# Altium PCB US_SB_GHW.PcbDoc (part 2 of 2)
Units mm, origin at the board's own origin, x right, y up, seen from the top; angles counter-clockwise.
Board outline 89 x 93.3 mm, 2 copper layers (Top Layer, Bottom Layer); 129 components, 87 nets, 555 pads, 277 vias.
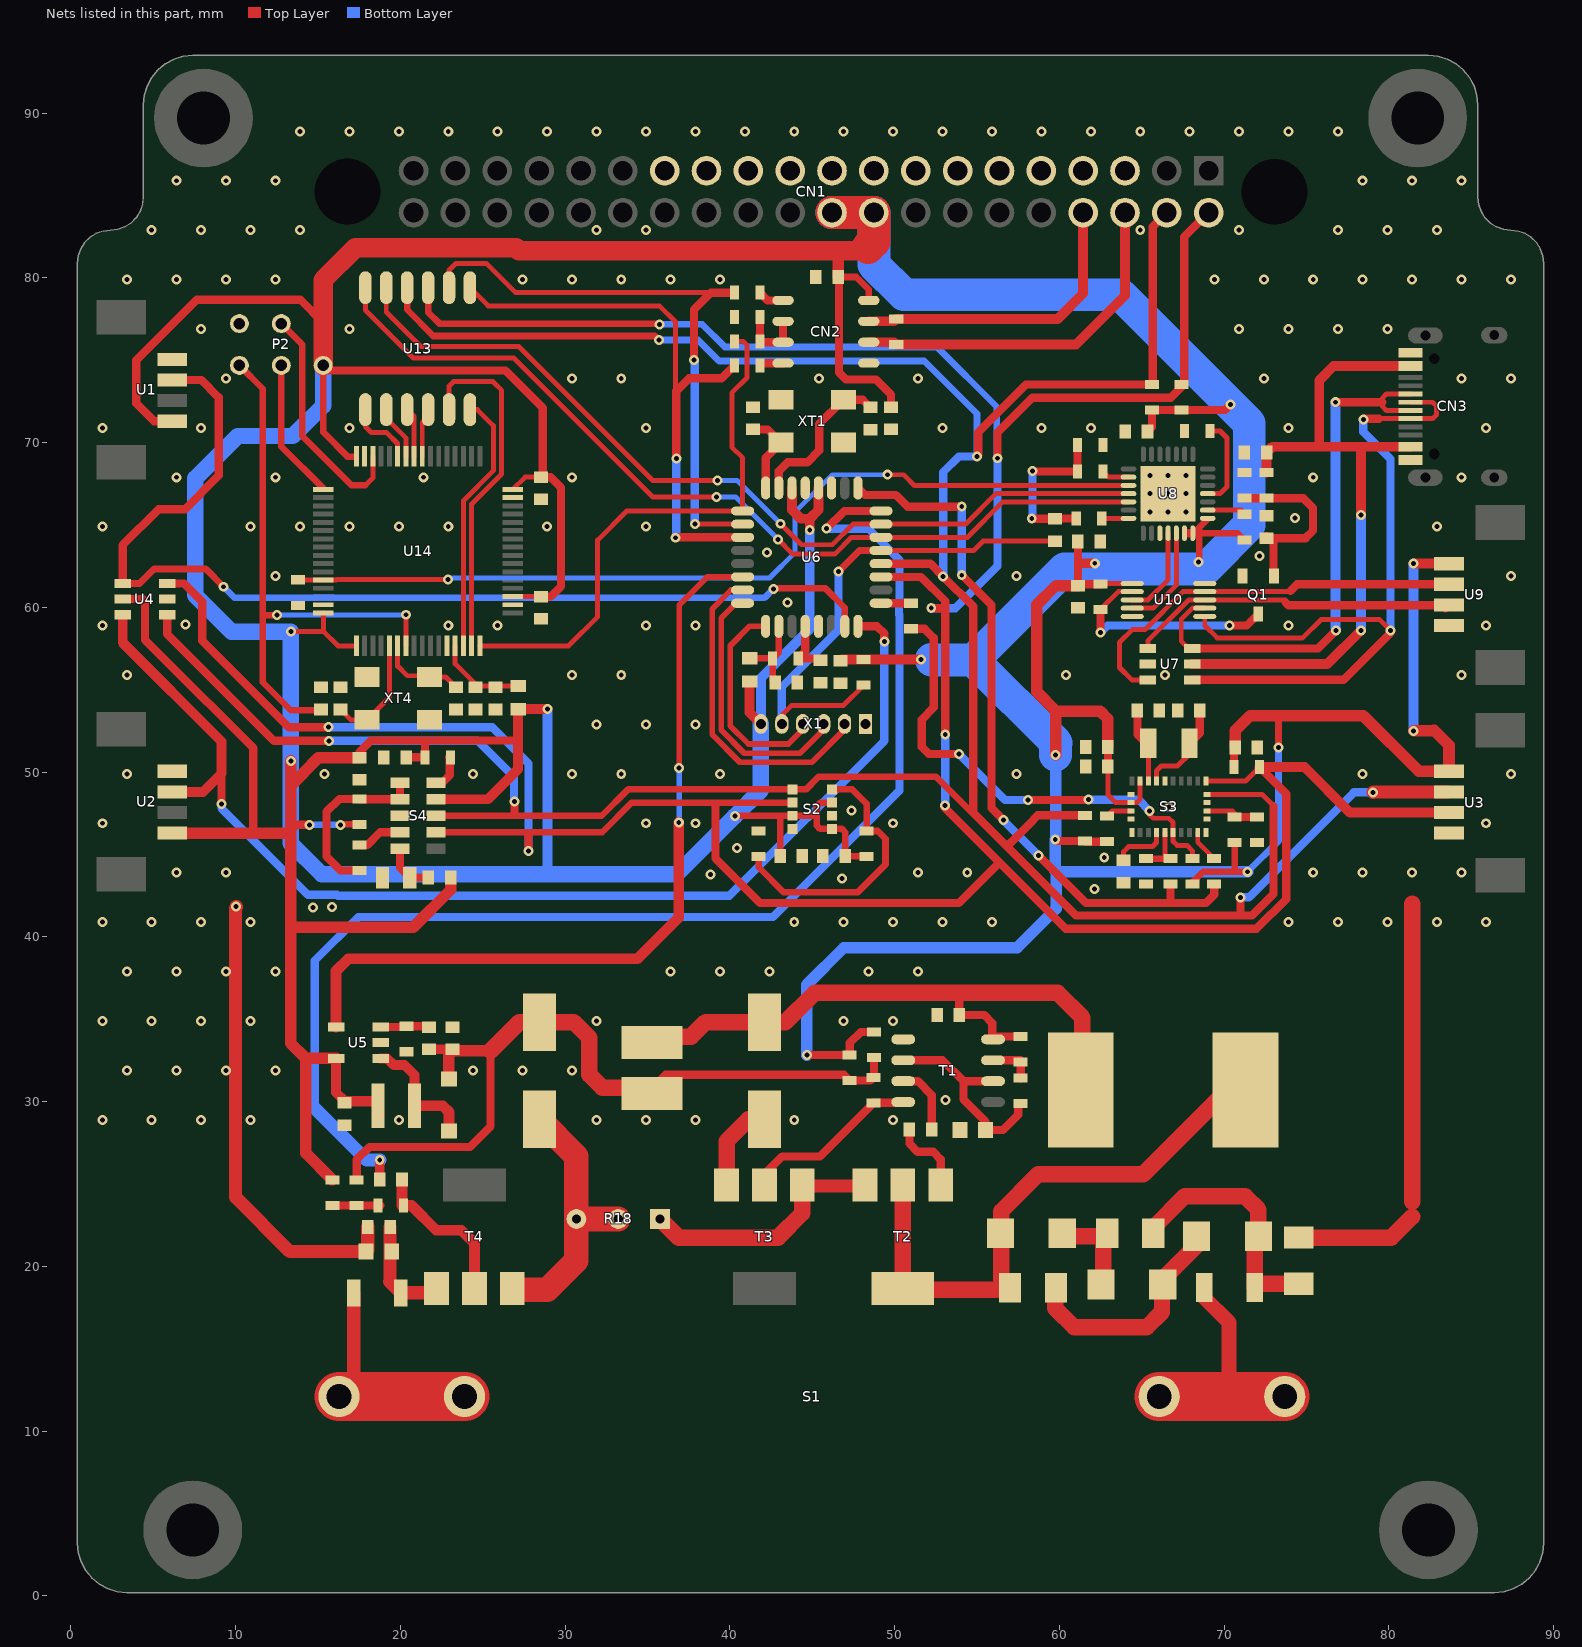
[diagram p2: the nets of this part, all layers, seen from the top]

## Via types
v1: diameter 0.605, hole 0.3, Top Layer to Bottom Layer, tented both sides, 277 vias

## Nets (pads, with @x,y where several pads share a name; then routed paths per layer and width w, separated by ;. In a path a pad name is that pad's centre, name@x,y a point inside that pad or via, vN(x,y) a via of type N, cw(c..) or ccw(c..) an arc to the next point about the centre after c; other vN are vias at no path point)
3V3: C1.2 C11.1 C12.1 C13.1 C18.2 C19.2 C20.1 C21.1 C22.1 C27.1 C29.2 C30.2 C31.2 C32.2 C43.2 C44.2 CN1.18 CN1.20 CN2.8 FB1.2 FB3.1 L1.1 P2.5 R1.1 R2.1 R5.1 R9.2 R11.2 R19.2 R22.2 R25.2 R26.2 R27.2 R28.2 R29.2 R34.1 R37.2 R39.2 R45.2 R48.2 S2.2 S2.6 S2.8 S3.3 S3.28 S4.4 U1.1 U2.1 U3.1 U4.5 U5.5 U6.4 U6.6 U8.6 U8.7 U8.8 U9.1 U10.1 U14.1 U14.19 U14.32 U14.48 U14.64 X1.6 | length 577.7
  Top Layer w0.3: v1(13.35,58.525) 13.37,58.545 15.33,58.545 ; U14.64@15.33,59.659 15.33,58.545 ; U14.48@17.3,69.129 U14.48@17.33,69.159 ; U14.1@17.33,57.659 16.216,57.659 15.33,58.545 ; U14.19@26.83,60.659 28.391,60.659 C44.2@28.475,60.575 ; U14.32@26.83,67.159 27.571,67.9 C43.2@28.525,67.9 ; R45.2@62.575,61.4 62.625,61.45 U10.1@64.4,61.45 ; C22.1@62.95,50.2 62.95,48.619 63.419,48.15 S3.3@64.337,48.15 64.695,48.15 64.9,48.355 S3.28@64.9,49.462 ; U8.8@68.95,65.3 68.95,65.35 U8.8@69,65.4
  Top Layer w0.4: P2.5@15.315,74.685 15.315,70.635 16.821,69.129 U14.48@17.28,69.129 ; v1(16.375,46.8) 16.4,46.8 16.425,46.825 R39.2@17.525,46.825 ; v1(40.3,47.325) 40.325,47.35 42.975,47.35 ; C18.2@43.05,44.9 43.05,47.275 42.975,47.35 ; S2.6@46.2,48.15 45.5,48.15 45.275,47.925 45.275,47.3 ; CN1.20@46.203,83.96 CN1.20@46.575,83.588 ; C29.2@46.575,80.05 47.675,80.05 48.431,79.294 CN2.8@48.431,78.632 ; R22.2@48.3,44.875 48.275,44.9 C19.2@47,44.9 47,46.35 46.8,46.55 S2.8@46.2,46.55 45.475,46.55 45.275,46.75 45.275,47.3 ; 61.125,62.75 61.2,62.675 ; R27.2@68.075,43.3 68.725,43.95 70.65,43.95 ; U8.7@68.1,64.5 U8.7@68.15,64.5 ; v1(68.45,62.75) 68.487,62.787 68.487,64.5 ; U8.8@69,65.35 68.95,65.3 68.487,64.838 ; R28.2@70.625,45.725 70.65,45.7 70.65,43.95 ; R48.2@71.225,64.1 70.825,64.5 68.487,64.5 ; v1(71.425,43.95) 70.65,43.95 ; v1(73.3,51.5) 73.3,53.15 73.575,53.425 ; 42.975,47.35 S2.2@43.8,47.35 45.225,47.35 45.275,47.3 ; U8.7@68.15,64.5 68.487,64.838 ; U8.7@68.15,64.5 68.487,64.5 ; 68.487,64.5 68.487,64.838
  Top Layer w0.5: U4.5@3.15,60.5 4.375,60.5 4.5,60.375 4.5,58.025 5.6,56.925 11.075,51.45 11.075,46.3 ; U1.1@6.15,71.3 5.05,71.3 3.975,72.375 3.975,75 7.65,78.675 13.925,78.675 15.315,77.285 ; 13.337,46.45 13.687,46.8 v1(14.475,46.8) ; P2.5@15.315,74.685 15.625,74.375 26.375,74.375 28.65,72.1 28.65,68.025 C43.2@28.525,67.9 29.125,67.9 29.75,67.275 29.75,61.275 29.134,60.659 C44.2@28.391,60.659 ; C11.1@17.525,50.875 17.525,51.225 18.225,51.925 21.525,51.925 ; C27.1@20.35,50.9 R37.2@21.5,50.9 21.5,51.9 21.525,51.925 ; 27,51.925 21.525,51.925 ; v1(44.675,32.825) R5.1@47.275,32.825 47.275,33.55 47.95,34.225 R11.2@48.75,34.225 ; C29.2@46.575,80.05 46.625,80 46.625,74.25 47.05,73.825 48.875,73.825 49.775,72.925 C13.1@49.775,72.15 ; v1(59.75,45.9) 59.825,45.825 R26.2@61.55,45.825 61.6,45.775 R29.2@62.9,45.775 ; C30.2@61.125,64 61.125,62.75 C32.2@61.125,61.325 61.2,61.4 R45.2@62.575,61.4 ; C22.1@62.95,50.2 C22.1@62.95,50.334 C21.1@62.95,51.525 ; C31.2@65.35,70.675 65.625,70.95 R1.1@65.625,71.975 R2.1@67.425,71.975 70.05,71.975 v1(70.375,72.3) ; U8.6@67.7,64.5 U8.7@68.1,64.5 ; R27.2@68.075,43.3 R27.2@68.164,43.3 ; R25.2@70.6,50.3 70.6,51.432 C20.1@70.675,51.507
  Top Layer w0.6: U5.5@16.1,32.625 16.1,30.55 C1.2@16.625,30.025 ; S4.4@22.175,48.35 25.325,48.35 27.15,50.175 27.15,52.075 ; 27,51.925 27.15,52.075 ; v1(28.925,53.825) 28.92,53.82 FB3.1@27.15,53.82 27.15,52.075 ; FB1.2@41.2,55.495 41.2,53.61 X1.6@41.885,52.925 ; U6.6@43.775,67.25 43.775,65.9 44.3,65.375 44.85,65.375 ; v1(44.85,64.7) 44.85,65.375 ; U6.4@45.375,67.25 45.375,65.9 44.85,65.375 ; C12.1@46.725,56.75 46.8,56.825 R19.2@48.125,56.825 v1(51.6,56.825) ; 61.2,62.675 v1(62.15,62.675) ; v1(81.5,62.65) U9.1@83.65,62.65
  Top Layer w0.65: C1.2@16.625,30.025 18.375,30.025 L1.1@18.65,29.75
  Top Layer w0.7: U2.1@6.15,46.3 11.075,46.3 13.187,46.3 13.337,46.45 ; 13.35,48.763 13.337,48.75 ; R9.2@15.875,25.25 14.25,26.875 14.25,32.625 ; U5.5@16.1,32.625 14.25,32.625 ; C11.1@17.525,50.875 15.025,50.875 13.35,49.15 ; R34.1@23.05,43.6 23.05,42.85 20.775,40.575 13.337,40.575 ; C29.2@46.575,80.05 46.575,81.65 ; v1(59.775,51.05) 59.775,53.675 59.8,53.7 ; C32.2@61.125,61.325 59.8,61.325 58.625,60.15 58.625,54.875 59.8,53.7 ; C21.1@62.95,51.525 62.95,53.225 62.475,53.7 59.8,53.7 ; C20.1@70.675,51.507 70.675,52.525 71.575,53.425 73.575,53.425 78.45,53.425 81.825,50.05 U3.1@83.65,50.05 83.65,51.625 82.75,52.525 82.725,52.5 v1(81.5,52.5) ; 13.337,40.575 13.337,46.45 ; 13.337,40.575 13.337,33.537 14.25,32.625 ; 13.337,46.45 13.337,48.75 ; 13.337,48.75 13.337,49.187 ; 13.337,49.187 13.337,50.662 v1(13.35,50.675) 13.35,49.15 ; 13.337,49.187 13.35,49.15
  Top Layer w1.2: P2.5@15.315,74.685 15.315,77.285 15.315,79.86 17.28,81.825 27.025,81.825 27.2,81.65 46.575,81.65 48.175,81.65 48.375,81.85
  Top Layer w2: CN1.20@46.203,83.96 CN1.18@48.743,83.96 48.743,82.218 48.375,81.85
  Bottom Layer w0.4: v1(14.475,46.8) v1(16.375,46.8) ; v1(71.425,43.95) 73.3,45.825 v1(73.3,51.5)
  Bottom Layer w0.6: 28.85,43.8 28.925,43.875 v1(28.925,53.825) ; X1.6@41.885,52.925 41.885,55.71 44.85,58.675 v1(44.85,64.7) ; v1(51.6,56.825) 52.225,56.825 54.75,56.825 54.775,56.8 55.175,56.8 57.325,58.95 57.325,59.35 ; v1(62.15,62.675) 68.375,62.675 v1(68.45,62.75) ; v1(81.5,52.5) v1(81.5,62.65)
  Bottom Layer w0.7: v1(44.675,32.825) 44.675,37.1 46.925,39.35 57.45,39.35 59.8,41.7 59.8,43.925 ; v1(59.775,51.05) 59.775,45.925 v1(59.75,45.9) 59.75,43.975 59.8,43.925 ; v1(71.425,43.95) 59.825,43.95 59.8,43.925
  Bottom Layer w1: P2.5@15.315,74.685 15.315,72.24 13.475,70.4 10.125,70.4 7.55,67.825 7.55,60.725 9.753,58.522 13.347,58.522 v1(13.35,58.525) v1(13.35,50.675) 13.35,45.675 15.225,43.8 28.85,43.8 36.775,43.8 v1(40.3,47.325) 41.885,48.91 X1.6@41.885,52.925
  Bottom Layer w2: CN1.20@46.203,83.96 CN1.18@48.743,83.96 48.743,80.807 50.575,78.975 63.725,78.975 70.375,72.325 v1(70.375,72.3) 70.4,72.3 71.525,71.175 71.525,65 68.85,62.325 60.3,62.325 57.325,59.35 54.775,56.8 ; 52.225,56.825 52.25,56.8 54.775,56.8 ; v1(59.775,51.05) 59.775,51.75 59.8,51.775 54.775,56.8
5V: C2.2 C4.1 D1.2 L2.1 R3.2 R5.2 R10.2 R11.1 R14.2 | length 48.8
  Top Layer w0.5: R10.2@17.35,25.5 17.35,26.475 18.128,27.253 24.228,27.253 25.475,28.5 25.475,33.075 ; L2.1@35.325,30.85 36.1,31.625 46.925,31.625 R5.2@47.275,31.275 48.525,31.275 R14.2@48.725,31.475 48.75,31.5 R11.1@48.75,32.675
  Top Layer w0.6: R3.2@21.75,33.175 23.075,33.175 C2.2@23.175,33.075
  Top Layer w0.7: D1.2@22.95,31.375 22.95,32.85 23.175,33.075 25.475,33.075
  Top Layer w1: 25.475,33.075 27.225,34.825 C4.1@28.45,34.825 30.525,34.825 31.475,33.875 31.475,31.625 32.25,30.85 L2.1@35.325,30.85
\R\E\S\E\T\1: C45.1 P2.1 U14.7 | length 35.5
  Top Layer w0.3: 13.825,53.75 13.875,53.8 ; 14.5,53.8 C45.1@15.175,53.8 ; U14.7@20.33,57.659 20.33,59.495 20.275,59.55 v1(20.35,59.55)
  Top Layer w0.4: P2.1@10.235,74.685 11.65,73.27 11.65,59.525 ; v1(12.525,59.525) 11.65,59.525 ; C45.1@15.175,53.8 15.125,53.75 13.825,53.75 13.35,53.75 11.65,55.45 11.65,59.525
  Bottom Layer w0.3: v1(12.525,59.525) 20.325,59.525 v1(20.35,59.55)
ADC0: U2.3 U4.6 U6.24 | length 72.3
  Top Layer w0.5: v1(9.15,48.075) 9.15,49.925 ; U6.24@47.775,58.85 48.925,58.85 49.375,58.4 v1(49.375,57.938)
  Top Layer w0.6: U4.6@3.15,59.55 3.15,57.85 9.15,51.85 9.15,49.925 8.025,48.8 U2.3@6.15,48.8
  Bottom Layer w0.5: v1(9.15,48.075) 9.15,47.799 14.396,42.553 16.162,42.553 16.214,42.5 39.975,42.5 49.375,51.9 v1(49.375,57.938)
ADC1: U1.3 U4.4 U6.23 | length 64.6
  Top Layer w0.4: U4.4@3.15,61.45 4.175,61.45 5.05,62.325 8.2,62.325 v1(9.275,61.25) ; v1@42.7,61.175 42.7,61.15 45.8,61.15 46.975,59.975 U6.23@46.975,58.85
  Top Layer w0.5: U4.4@3.15,61.45 3.15,63.775 5.325,65.95 6.925,65.95 8.975,68 8.975,72.75 7.925,73.8 U1.3@6.15,73.8
  Bottom Layer w0.4: v1(9.275,61.25) 9.95,60.575 42.1,60.575 v1(42.65,61.125)
DTR: C35.1 R19.1 U6.29 X1.5 | length 30.8
  Top Layer w0.3: X1.5@43.155,52.925 43.155,53.455 43.75,54.05 46.9,54.05 R19.1@48.125,55.275 ; U6.29@49.175,63.45 54.8,63.45 55.375,64.025 C35.1@59.75,64.025
  Top Layer w0.4: v1(46.6,62.175) 47.875,63.45 U6.29@49.175,63.45
  Bottom Layer w0.5: X1.5@43.155,52.925 43.155,55.18 46.6,58.625 v1(46.6,62.175)
GND: C1.1 C2.1 C4.2 C5.2 C6.2 C8.1 C9.1 C10.1 C11.2 C12.2 C13.2 C14.2 C15.2 C16.1 C17.1 C18.1 C19.1 C20.2 C21.2 C22.2 C23.1 C24.1 C25.1 C26.1 C27.2 C29.1 C30.1 C31.1 C32.1 C33.1 C34.1 C41.1 C42.1 C43.1 C44.1 C45.2 C46.1 C47.1 CN1.5 CN1.7 CN1.9 CN1.11 CN1.13 CN1.15 CN1.17 CN1.19 CN1.21 CN1.23 CN1.25 CN1.27 CN2.5 CN3.A1 CN3.A12 P2.2 Q1.2 R4.1 R17.1 R18.2 R24.1 R32.1 R33.1 R44.1 R46.2 R47.2 R54.1 R56.1 S2.1 S2.7 S3.2 S3.5 S3.6 S3.15 S3.16 S3.18 S3.25 S4.8 T1.1 T3.3 T4.3 U1.4 U2.4 U3.4 U4.2 U5.2 U6.3 U6.5 U6.21 U7.2 U8.3 U8.29 U9.4 U10.5 U10.10 U14.12 U14.18 U14.31 U14.47 U14.63 X1.1 XT1.2 XT1.4 XT4.2 XT4.4 | length 76.4
  Top Layer w0.6: C10.1@17.925,20.9 C10.1@18.025,21
  Top Layer w0.8: v1(10.025,41.85) 10.05,41.825 10.05,41.775 10,41.725 10,24.2 13.3,20.9 C10.1@17.925,20.9 ; C10.1@18.025,21 R17.1@18.025,22.4
  Top Layer w1: T3.3@39.7,24.975 39.8,24.875 T3.3@39.8,24.95 39.8,27.6 41.125,28.925 C5.2@42.1,28.925 ; C8.1@74.525,21.75 80.15,21.75 81.409,23.009 ; 81.409,23.909 81.409,42.009
  Top Layer w1.5: T4.3@26.8,18.575 28.925,18.575 30.685,20.335 R18.2@30.685,22.875 ; C4.2@28.45,28.925 30.685,26.69 R18.2@30.685,22.875 ; R18.2@33.225,22.875 R18.2@30.685,22.875
  other v1: 1.909,28.895 4.909,28.895 7.909,28.895 10.909,28.895 19.909,28.895 31.909,28.895 34.909,28.895 37.909,28.895 43.909,28.895 49.909,28.895 53.1,30.1 3.409,31.895 6.409,31.895 9.409,31.895 12.409,31.895 24.409,31.895 27.409,31.895 30.409,31.895 1.909,34.895 4.909,34.895 7.909,34.895 10.909,34.895 31.909,34.895 46.909,34.895 49.909,34.895 3.409,37.895 6.409,37.895 9.409,37.895 12.409,37.895 36.409,37.895 39.409,37.895 42.409,37.895 48.409,37.895 51.409,37.895 1.909,40.895 4.909,40.895 7.909,40.895 10.909,40.895 43.909,40.895 46.909,40.895 49.909,40.895 52.909,40.895 55.909,40.895 73.909,40.895 76.909,40.895 79.909,40.895 82.909,40.895 85.909,40.895 14.7,41.775 15.85,41.8 62.125,42.9 46.8,43.55 38.825,43.775 6.409,43.895 9.409,43.895 51.409,43.895 54.409,43.895 75.409,43.895 78.409,43.895 81.409,43.895 84.409,43.895 62.725,44.825 40.425,45.4 1.909,46.895 34.909,46.895 37.909,46.895 49.909,46.895 85.909,46.895 47.375,47.675 66.65,47.875 3.409,49.895 15.409,49.895 24.409,49.895 30.409,49.895 33.409,49.895 39.409,49.895 57.409,49.895 78.409,49.895 87.409,49.895 31.909,52.895 34.909,52.895 37.909,52.895 3.409,55.895 30.409,55.895 33.409,55.895 60.409,55.895 66.409,55.895 84.409,55.895 1.909,58.895 22.909,58.895 25.909,58.895 34.909,58.895 37.909,58.895 73.909,58.895 85.909,58.895 6.95,58.95 43.5,60.3 12.409,61.895 57.409,61.895 87.409,61.895 72.15,63.125 42.25,63.325 1.909,64.895 10.909,64.895 13.909,64.895 16.909,64.895 19.909,64.895 22.909,64.895 28.909,64.895 34.909,64.895 82.909,64.895 74.3,65.425 65.5,65.8 66.6,65.8 67.7,65.8 65.5,66.9 66.6,66.9 67.7,66.9 6.409,67.895 12.409,67.895 21.409,67.895 30.409,67.895 75.409,67.895 84.409,67.895 65.5,68 66.6,68 67.7,68 1.909,70.895 7.909,70.895 16.909,70.895 34.909,70.895 52.909,70.895 58.909,70.895 61.909,70.895 73.909,70.895 85.909,70.895 9.409,73.895 30.409,73.895 33.409,73.895 45.409,73.895 51.409,73.895 72.409,73.895 84.409,73.895 87.409,73.895 7.909,76.895 16.909,76.895 70.909,76.895 73.909,76.895 76.909,76.895 79.909,76.895 3.409,79.895 6.409,79.895 9.409,79.895 12.409,79.895 27.409,79.895 30.409,79.895 33.409,79.895 36.409,79.895 39.409,79.895 69.409,79.895 72.409,79.895 75.409,79.895 78.409,79.895 81.409,79.895 84.409,79.895 87.409,79.895 4.909,82.895 7.909,82.895 10.909,82.895 13.909,82.895 31.909,82.895 34.909,82.895 64.909,82.895 70.909,82.895 76.909,82.895 79.909,82.895 82.909,82.895 6.409,85.895 9.409,85.895 12.409,85.895 78.409,85.895 81.409,85.895 84.409,85.895 13.909,88.895 16.909,88.895 19.909,88.895 22.909,88.895 25.909,88.895 28.909,88.895 31.909,88.895 34.909,88.895 37.909,88.895 40.909,88.895 43.909,88.895 46.909,88.895 49.909,88.895 52.909,88.895 55.909,88.895 58.909,88.895 61.909,88.895 64.909,88.895 67.909,88.895 70.909,88.895 73.909,88.895 76.909,88.895
MISO: U6.16 X1.3 | length 15.9
  Top Layer w0.35: U6.16@40.775,60.25 40.375,60.25 39.475,59.35 39.475,52.55 40.875,51.15 44.26,51.15 X1.3@45.71,52.6
MOSI: U6.15 X1.2 | length 19.5
  Top Layer w0.35: U6.15@40.775,61.05 40.075,61.05 38.925,59.9 38.925,52.275 40.6,50.6 44.98,50.6 X1.2@46.98,52.6
NetC3_1: C3.1 D2.2 D3.1 | length 5.6
  Top Layer w1: D2.2@60.23,21.825 62.65,21.825 62.65,18.88 D3.1@62.47,18.7
NetC3_2: C3.2 C8.2 D4.2 R8.1 | length 15.6
  Top Layer w1: C3.2@65.725,21.825 65.725,22.375 67.6,24.25 71.275,24.25 72.08,23.445 D4.2@72.08,21.825 71.85,21.595 R8.1@71.85,18.725 72.075,18.95 C8.2@74.525,18.95
NetC5_1: C5.1 C6.1 L2.2 L3.2 R7.2 T1.8 | length 38.8
  Top Layer w0.5: 53.925,36.6 C6.1@53.925,35.25 55.45,35.25 55.925,34.775 T1.8@55.925,33.78 ; T1.8@55.975,33.78 56.145,33.95 R7.2@57.65,33.95 ; L3.2@60.675,30.675 L3.2@60.675,31.725
  Top Layer w1: L2.2@35.325,33.95 37.65,33.95 38.525,34.825 C5.1@42.1,34.825 43.375,34.825 45.15,36.6 53.925,36.6 59.9,36.6 61.4,35.1 61.4,32.45 L3.2@60.675,31.725
NetC7_1: C7.1 D2.1 L3.1 T2.2 | length 34.4
  Top Layer w1: T2.2@50.5,24.875 T2.2@50.5,18.65 50.5,18.575 C7.1@56.47,18.575 ; C7.1@57,18.7 56.47,19.23 56.47,23.345 58.725,25.6 65.1,25.6 70.175,30.675 L3.1@70.675,30.675
NetC7_2: C7.2 D3.2 D4.1 | length 13.9
  Top Layer w1: C7.2@59.75,18.575 59.75,17.45 60.9,16.3 65.3,16.3 66.23,17.23 66.23,19.18 68.32,21.27 D4.1@68.32,21.825
NetC9_2: C9.2 R12.1 T1.2 T1.6 | length 12.6
  Top Layer w0.5: T1.2@50.475,32.51 52.915,32.51 54.185,31.24 ; T1.6@55.975,31.24 54.185,31.24 ; R12.1@57.65,29.875 57.5,29.725 57.5,29.2 56.575,28.275 C9.2@55.525,28.275 55.525,28.8 54.185,30.14 54.185,31.24
NetC10_2: C10.2 R16.1 R17.2 T4.1 | length 6.5
  Top Layer w0.8: R17.2@19.375,22.4 19.375,19.1 19.35,19.075 20.025,18.4 22.025,18.4 T4.1@22.2,18.575
NetC14_1: C14.1 FB1.1 R20.1 U6.18 | length 5
  Top Layer w0.4: FB1.1@41.2,56.905 42.595,56.905 R20.1@42.6,56.9 ; C14.1@42.75,55.425 42.6,55.575 R20.1@42.6,56.9 ; U6.18@42.975,58.85 42.975,57.275 R20.1@42.6,56.9
NetC15_1: C15.1 R20.2 U6.20 | length 3.5
  Top Layer w0.5: U6.20@44.575,58.85 44.575,57.325 R20.2@44.15,56.9 45.375,56.9 C15.1@45.5,56.775
NetC16_2: C16.2 U6.7 XT1.3 | length 9.5
  Top Layer w0.5: U6.7@42.975,67.25 42.975,68.275 43.5,68.8 44.7,68.8 45.425,69.525 45.425,71.125 XT1.3@46.9,72.6 48.061,72.6 C16.2@48.525,72.136
NetC17_2: C17.2 U6.8 XT1.1 | length 5.2
  Top Layer w0.5: C17.2@41.4,70.8 42.3,70.8 XT1.1@43.1,70 42.175,69.075 U6.8@42.175,67.25
NetC23_2: C23.2 S3.27 XT2.2 | length 4.6
  Top Layer w0.3: C23.2@64.725,53.725 C23.2@64.75,53.725 ; S3.27@65.4,49.462 XT2.2@65.4,51.75
  Top Layer w0.5: C23.2@64.75,53.725 64.75,52.275 65.275,51.75 XT2.2@65.4,51.75
NetC24_2: C24.2 S3.26 XT2.1 | length 5.9
  Top Layer w0.3: S3.26@65.9,49.462 65.9,50.075 66.2,50.375 67.175,50.375 67.9,51.1 XT2.1@67.9,51.75
  Top Layer w0.5: XT2.1@67.9,51.75 68.525,52.375 C24.2@68.525,53.725
NetC25_2: C25.2 S3.9 | length 3.4
  Top Layer w0.3: C25.2@63.9,44.636 63.9,45.175 64.2,45.475 65.65,45.475 65.9,45.725 S3.9@65.9,46.338
NetC26_2: C26.2 R34.2 S4.10 | length 3.1
  Top Layer w0.5: S4.10@19.975,45.35 19.975,44.2 C26.2@20.575,43.6 R34.2@21.7,43.6
NetC34_2: C34.2 Q1.1 R46.1 R55.2 | length 11
  Top Layer w0.5: R46.1@71.225,66.625 R55.2@72.575,66.625 74.8,66.625 75.4,66.025 75.4,64.65 74.95,64.2 C34.2@72.7,64.2 ; C34.2@72.475,64.225 C34.2@72.575,64.325 ; C34.2@72.575,64.2 C34.2@72.7,64.2 ; Q1.1@73,62.25 73,63.9 C34.2@72.7,64.2
NetC35_2: C35.2 R51.1 R53.1 R54.2 | length 9.9
  Top Layer w0.5: v1(58.325,65.4) 58.35,65.375 C35.2@59.75,65.375 59.775,65.4 R51.1@61.025,65.4 ; v1(58.375,68.275) 58.4,68.25 R53.1@61.091,68.25 61.1,68.259 R54.2@61.1,69.85
  Bottom Layer w0.5: v1(58.325,65.4) 58.375,65.45 v1(58.375,68.275)
NetC41_2: C41.2 C42.2 FB3.2 U14.13 | length 5.6
  Top Layer w0.3: U14.13@23.33,57.659 23.33,56.57 24.575,55.325 C41.2@24.575,55.15 24.655,55.23 FB3.2@27.15,55.23
NetC46_2: C46.2 U14.6 XT4.3 | length 5.3
  Top Layer w0.3: 19.83,56.42 19.83,56.445 ; U14.6@19.83,57.659 19.83,56.445 ; C46.2@23.375,55.15 22.75,55.775 XT4.3@21.775,55.775 21.7,55.85 20.425,55.85 19.83,56.445
NetC47_2: C47.2 U14.5 XT4.1 | length 6.9
  Top Layer w0.3: C47.2@16.375,53.8 17,53.175 XT4.1@17.975,53.175 19.33,54.53 U14.5@19.33,57.659
NetCN1_6: CN1.6 CN2.6 R41.2 | length 21.9
  Top Layer w0.6: CN2.6@48.431,76.092 49.958,76.092 R41.2@50.1,75.95 61,75.95 63.983,78.933 CN1.6@63.983,83.96
NetCN1_8: CN1.8 CN2.7 R41.1 | length 18.6
  Top Layer w0.6: CN2.7@48.431,77.362 49.962,77.362 R41.1@50.1,77.5 59.9,77.5 61.443,79.043 CN1.8@61.443,83.96
NetCN2_1: CN2.1 R49.2 | length 1.6
  Top Layer w0.5: R49.2@41.825,79.1 42.293,78.632 CN2.1@43.231,78.632
NetCN2_2: CN2.2 CN2.3 R42.2 R44.2 | length 4.2
  Top Layer w0.5: R44.2@41.825,77.625 R42.2@41.825,76.15 41.883,76.092 CN2.3@43.231,76.092 CN2.2@43.231,77.362
NetCN2_4: CN2.4 R40.2 | length 1.5
  Top Layer w0.5: R40.2@41.825,74.675 41.972,74.822 CN2.4@43.231,74.822
NetD1_1: D1.1 L1.2 U5.1 | length 7.7
  Top Layer w0.6: U5.1@18.8,32.625 19.2,32.625 19.6,32.225 20.25,32.225 20.85,31.625 L1.2@20.85,29.75
  Top Layer w0.65: L1.2@20.85,29.75 22.575,29.75 22.95,29.375 D1.1@22.95,28.225
NetQ1_3: Q1.3 R45.1 U10.2 | length 13.8
  Top Layer w0.3: R45.1@62.5,59.875 63.575,60.95 U10.2@64.4,60.95
  Top Layer w0.5: v1(62.5,58.475) R45.1@62.5,59.875 ; v1(70.325,58.9) 71.375,58.9 Q1.3@72.075,59.6
  Bottom Layer w0.5: v1(62.5,58.475) 62.925,58.9 v1(70.325,58.9)
NetR3_1: R3.1 R4.2 U5.3 | length 3
  Top Layer w0.5: U5.3@18.8,34.525 20.325,34.525 R4.2@20.375,34.575 21.7,34.575 R3.1@21.75,34.525
NetR6_1: R6.1 T1.3 | length 4.4
  Top Layer w0.5: T1.3@50.309,31.24 T1.3@50.525,31.24 51.41,31.24 52.25,30.4 R6.1@52.25,28.3
NetR6_2: R6.2 T2.1 | length 4.8
  Top Layer w0.5: R6.2@50.9,28.3 50.9,27.45 51.4,26.95 52.35,26.95 52.8,26.5 T2.1@52.8,24.95 T2.1@52.8,24.875
NetR7_1: R7.1 R12.2 T1.7 | length 2.8
  Top Layer w0.5: T1.7@55.925,32.51 57.64,32.51 57.65,32.5 R7.1@57.65,32.4 R12.2@57.65,31.425
NetR8_2: R8.2 S1.1 | length 14.9
  Top Layer w0.9: R8.2@68.8,18.725 68.8,18.1 70.3,16.6 70.3,12.1
  Top Layer w3: S1.1@66.06,12.1 70.3,12.1 S1.1@73.68,12.1
NetR9_1: R9.1 R10.1 R13.2 | length 2.9
  Top Layer w0.5: R9.1@15.875,23.7 R10.1@17.35,23.7 ; R10.1@17.4,23.7 R13.2@18.65,23.7 R13.2@18.8,23.7
NetR13_1: R13.1 R15.1 T4.2 | length 9.8
  Top Layer w0.65: R15.1@20.1,25.275 20.1,23.7 R13.1@20.2,23.7 20.675,23.7 22.175,22.2 23.7,22.2 24.5,21.4 T4.2@24.5,18.65 T4.2@24.5,18.575
NetR14_1: R14.1 T1.4 T3.2 | length 11
  Top Layer w0.5: T3.2@42.1,24.875 T3.2@42.1,24.95 42.1,25.6 43.175,26.675 45.475,26.675 R14.1@48.725,29.925 50.48,29.925 T1.4@50.525,29.97 T1.4@50.47,30.025
NetR15_2: R15.2 U6.32 | length 78.1
  Top Layer w0.5: v1(45.875,64.775) 46.95,65.85 U6.32@49.175,65.85
  Top Layer w0.6: R15.2@18.75,25.275 v1(18.75,26.45)
  Bottom Layer w0.5: 14.8,29.6 14.8,38.55 17.45,41.2 42.625,41.2 50.3,48.875 50.3,56.486 50.297,56.488 50.297,57.112 50.3,57.114 50.3,59.536 50.273,59.563 50.273,60.187 50.3,60.214 50.3,62.875 48.4,64.775 v1(45.875,64.775)
  Bottom Layer w0.8: 14.8,29.6 17.95,26.45 v1(18.75,26.45)
NetR16_2: R16.2 S1.2 | length 15.3
  Top Layer w0.8: S1.2@16.32,11.7 16.72,12.1 17.175,12.555 R16.2@17.175,18.39
  Top Layer w1: S1.2@16.319,11.1 S1.2@16.8,11.581
  Top Layer w3: S1.2@16.28,12.1 16.72,12.1 S1.2@23.9,12.1
NetR18_1: R18.1 T2.3 T3.1 | length 15.2
  Top Layer w0.8: T3.1@44.4,24.875 T2.3@48.2,24.875
  Top Layer w1: R18.1@35.765,22.875 36.89,21.75 42.925,21.75 44.4,23.225 T3.1@44.4,24.875
NetR21_1: R21.1 U6.25 | length 1.8
  Top Layer w0.5: U6.25@49.175,60.25 R21.1@51,60.25
NetR21_2: R21.2 R27.1 S3.11 | length 29
  Top Layer w0.3: v1(65.475,47.65) 65.475,47.425 65.7,47.2 66.65,47.2 66.9,46.95 S3.11@66.9,46.338 66.9,45.8 67.15,45.55 67.75,45.55 68.075,45.225 R27.1@68.075,44.75 R27.1@68.075,44.65
  Top Layer w0.5: R21.2@51,58.7 51.825,58.7 52.375,58.15 52.375,53.925 51.65,53.2 51.65,51.525 52.075,51.1 v1(53.9,51.1) ; v1(58.1,48.3) 61.75,48.3 v1(61.775,48.325)
  Bottom Layer w0.5: v1(53.9,51.1) 56.7,48.3 v1(58.1,48.3) ; v1(61.775,48.325) 64.8,48.325 v1(65.475,47.65)
NetR22_1: R22.1 R24.2 S2.5 | length 16.7
  Top Layer w0.4: R24.2@41.75,44.875 41.75,44.225 43.275,42.7 47.75,42.7 49.45,44.4 49.45,45.95 48.975,46.425 R22.1@48.3,46.425 48.3,48.075 47.425,48.95 S2.5@46.2,48.95
NetR28_1: R28.1 R32.2 S3.17 | length 3.1
  Top Layer w0.3: S3.17@68.962,47.65 70.5,47.65 R28.1@70.65,47.5
  Top Layer w0.5: R28.1@70.625,47.275 R32.2@72,47.275
NetR29_1: R29.1 S3.4 | length 1.6
  Top Layer w0.3: R29.1@62.9,47.325 63.225,47.65 S3.4@64.337,47.65
NetR30_1: R30.1 R31.1 U6.1 | length 43.7
  Top Layer w0.5: U6.1@47.775,67.25 48.2,66.825 50.075,66.825 50.8,66.1 54.05,66.1 v1(54.075,66.125) ; v1(54.075,61.95) 55.875,60.15 55.875,47.825 v1(56.6,47.1) ; v1(58.725,44.95) 61.625,42.05 66.8,42.05 ; R31.1@66.75,43.2 66.75,42.1 66.8,42.05 ; R30.1@69.4,43.2 69.4,42.55 68.9,42.05 66.8,42.05
  Bottom Layer w0.5: v1(54.075,61.95) v1(54.075,66.125) ; v1@56.613,47.062 v1(58.725,44.95)
NetR30_2: R30.2 S3.14 | length 2
  Top Layer w0.3: S3.14@68.4,46.338 68.4,45.75 R30.2@69.4,44.75
NetR31_2: R31.2 R33.2 S3.10 | length 3.1
  Top Layer w0.3: S3.10@66.4,46.338 66.4,44.75 R31.2@66.75,44.75
  Top Layer w0.4: R33.2@65.25,44.75 R31.2@66.4,44.75
NetR37_1: R37.1 S4.5 | length 2.1
  Top Layer w0.5: S4.5@22.175,49.35 22.525,49.35 23,49.825 23,50.875 R37.1@22.975,50.9
NetR38_1: R38.1 R39.1 S4.6 S4.7 | length 10.9
  Top Layer w0.5: R38.1@17.525,44.025 16.375,44.025 15.525,44.875 15.525,47.6 16.3,48.375 R39.1@17.525,48.375 17.55,48.35 S4.7@19.975,48.35 S4.6@19.975,49.35
NetR38_2: R38.2 S4.9 | length 2.8
  Top Layer w0.5: R38.2@17.525,45.575 18,45.575 18.775,46.35 S4.9@19.975,46.35
NetR47_1: R47.1 U8.24 U14.60 | length 54.8
  Top Layer w0.3: R47.1@13.775,61.675 13.791,61.659 U14.60@15.33,61.659 16.1,61.659 16.134,61.693 v1(22.9,61.693) ; v1(49.575,68.05) 50.55,68.05 51.2,67.4 U8.24@64.2,67.4
  Bottom Layer w0.3: v1(22.9,61.693) 22.985,61.778 42.405,61.778 43.95,63.323 43.95,65.775 46.225,68.05 v1(49.575,68.05)
NetR48_1: R48.1 U8.9 | length 2.3
  Top Layer w0.3: U8.9@69,65.9 71.05,65.9 R48.1@71.225,65.725
NetR51_2: R51.2 U8.28 | length 1.6
  Top Layer w0.3: R51.2@62.641,65.25 62.791,65.4 U8.28@64.2,65.4
NetR53_2: R53.2 U8.23 | length 1.7
  Top Layer w0.3: R53.2@62.641,68.25 62.991,67.9 U8.23@64.2,67.9
NetR56_2: R56.2 U8.11 | length 5.5
  Top Layer w0.3: U8.11@69,66.9 69.749,66.9 70.175,67.326 70.175,70.275 69.75,70.7 R56.2@69.15,70.7
NetU5_4: U5.4 U6.14 | length 49.1
  Top Layer w0.35: v1(36.925,50.25) 36.925,60.15 38.625,61.85 U6.14@40.775,61.85
  Top Layer w0.65: U5.4@16.1,34.525 16.1,37.925 16.85,38.675 34.4,38.675 36.9,41.175 v1(36.9,46.95)
  Bottom Layer w0.35: v1(36.9,46.95) 36.925,46.975 v1(36.925,50.25)
RS_DE: R42.1 U6.9 U14.16 | length 33.6
  Top Layer w0.3: U14.16@24.83,57.659 30.209,57.659 31.975,59.425 31.975,64.075 33.75,65.85 U6.9@40.775,65.85 40.775,69.075 40.125,69.725 40.125,73.025 41.05,73.95 41.05,75.9 40.8,76.15 R42.1@40.275,76.15
RS_RX: R49.1 U6.10 U13.8 | length 36.7
  Top Layer w0.3: U13.8@22.955,79.4 22.955,80.455 23.375,80.875 25.225,80.875 27,79.1 38.85,79.1 ; v1(37.875,65.05) U6.10@40.775,65.05
  Top Layer w0.5: v1(37.825,75.025) 37.825,78.075 38.85,79.1 R49.1@40.275,79.1
  Bottom Layer w0.5: v1(37.825,75.025) 37.875,74.975 v1(37.875,65.05)
RS_RX_ON: U13.5 U14.15 | length 21.2
  Top Layer w0.3: U13.5@22.955,72 22.955,73.43 23.225,73.7 25.625,73.7 26.15,73.175 26.15,68.093 24.33,66.273 U14.15@24.33,57.659
RS_TX: R40.1 U6.11 U13.7 | length 34.8
  Top Layer w0.3: U13.7@24.225,79.4 25.325,78.3 35.725,78.3 36.7,77.325 36.7,73.075
  Top Layer w0.5: v1(36.7,64.225) 36.725,64.25 U6.11@40.775,64.25 ; v1(36.75,69.025) 36.75,73.125 37.525,73.9 39.5,73.9 R40.1@40.275,74.675
  Bottom Layer w0.5: v1(36.7,64.225) 36.75,64.275 v1(36.75,69.025)
RS_TX_ON: U13.6 U14.14 | length 15.9
  Top Layer w0.3: U14.14@23.83,57.659 23.83,66.48 25.65,68.3 25.65,71.025 24.675,72 U13.6@24.225,72
RXD: U6.30 U8.26 U13.12 | length 55.1
  Top Layer w0.3: U13.12@17.875,79.4 17.875,78.05 20.8,75.125 26.9,75.125 35.325,66.7 v1(39.2,66.7) ; v1(42.925,64.125) 43.825,63.225 46.357,63.225 47.382,64.25 U6.30@49.175,64.25 54.425,64.25 56.575,66.4 U8.26@64.2,66.4
  Bottom Layer w0.3: v1(39.2,66.7) 40.35,66.7 v1(42.925,64.125)
RXD_ON: U13.1 U14.43 | length 4.2
  Top Layer w0.3: U13.1@17.875,72 17.875,70.975 18.25,70.6 19.175,70.6 19.83,69.945 U14.43@19.83,69.159
SCK: U6.17 X1.4 | length 12.8
  Top Layer w0.35: U6.17@42.175,58.85 41.2,58.85 40.025,57.675 40.025,52.8 41.125,51.7 43.54,51.7 X1.4@44.44,52.6
SCL: CN1.4 R1.2 R26.1 S2.4 S3.19 S4.3 U3.2 U4.1 U6.28 U13.10 | length 209.4
  Top Layer w0.3: 57.125,45.1 57.163,45.138 ; R26.1@61.45,47.275 R26.1@61.55,47.375 ; S3.19@68.962,48.65 72.3,48.65 73,47.95
  Top Layer w0.4: U13.10@20.415,79.4 20.415,78.06 22.003,76.472 35.453,76.472 v1(35.7,76.225) ; S4.3@22.175,47.35 32.225,47.35 33.825,48.95 S2.4@43.8,48.95 44.625,48.95 45.4,49.725 52.5,49.725 54.537,47.688 54.612,47.688
  Top Layer w0.5: U4.1@5.85,59.55 5.85,58.375 12.325,51.9 v1(15.675,51.9) ; 26.925,47.475 v1(26.925,48.225) ; U6.28@49.178,62.653 U6.28@49.175,62.65 52.175,62.65 v1(52.95,61.875) 54.775,60.05 54.775,47.85 ; v1(55,69.15) 55.075,69.225 55.075,70.625 57.975,73.525 R1.2@65.625,73.525 65.662,73.562 65.662,83.099 CN1.4@66.523,83.96 ; R26.1@61.55,47.375 58.675,47.375 58.425,47.125 58.425,47.1 56.813,45.488 ; v1(71,42.4) 71,41.325 70.975,41.3 ; 73,47.95 73,42.6 71.7,41.3 70.975,41.3 ; v1(79.05,48.775) 79.05,48.85 v1@79.1,48.8 ; U3.2@83.525,48.85 U3.2@83.575,48.8 ; U3.2@83.65,48.725 U3.2@83.575,48.8 ; U3.2@83.65,48.8 U3.2@83.575,48.8 ; 54.775,47.525 54.775,47.85 ; 54.775,47.525 54.612,47.688 54.775,47.85 ; 54.775,47.525 56.813,45.488 ; 56.813,45.488 57.163,45.138 61,41.3 70.975,41.3
  Top Layer w0.8: v1(79.05,48.775) 79.075,48.8 79.1,48.8 U3.2@83.575,48.8
  Bottom Layer w0.4: v1(35.7,76.225) 38.075,76.225 39.35,74.95 51.8,74.95 55,71.75 v1(55,69.15)
  Bottom Layer w0.5: v1(15.675,51.9) 24.7,51.9 26.9,49.7 26.9,48.25 v1(26.925,48.225) ; v1(52.95,61.875) 52.95,68.2 53.9,69.15 v1(55,69.15) ; v1(71,42.4) 71.5,42.4 77.875,48.775 v1(79.05,48.775)
SCL_ON: U13.3 U14.41 | length 3
  Top Layer w0.3: U13.3@20.415,72 20.83,71.585 U14.41@20.83,69.159
SDA: CN1.2 R2.2 R25.1 S2.3 S3.20 S4.2 U3.3 U4.3 U6.27 U13.9 | length 225.4
  Top Layer w0.3: S3.20@68.9,49.462 71.312,49.462 R25.1@72.15,50.3
  Top Layer w0.4: U13.9@21.685,79.4 21.685,77.915 22.375,77.225 35.675,77.225 v1(35.725,77.175) ; S4.2@22.175,46.35 32.25,46.35 34.05,48.15 S2.3@43.8,48.15
  Top Layer w0.5: U4.3@5.85,61.45 6.875,61.45 7.975,60.35 7.975,57.975 13.222,52.728 v1(15.651,52.728) ; v1(27.775,45.2) 27.775,46.2 ; 39.1,48 39.125,47.975 39.125,44.75 41.825,42.05 53.9,42.05 56.363,44.512 ; U6.27@49.175,61.85 51.6,61.85 53.075,60.375 53.075,59.8 ; v1(52.225,59.95) 52.925,59.95 53.075,59.8 ; v1(53.05,47.975) 53.05,47.825 56.363,44.512 ; v1(53.075,52.275) 53.075,59.8 ; v1(56.25,69.05) 56.25,70.6 58.375,72.725 66.775,72.725 67.425,73.375 R2.2@67.425,73.525 67.575,73.675 67.575,82.472 CN1.2@69.063,83.96 ; R25.1@72.15,50.3 73.775,48.675 73.775,42.3 71.971,40.496 60.379,40.496 56.363,44.512 ; U3.3@83.587,47.412 U3.3@83.65,47.475
  Top Layer w0.6: R25.1@72.15,50.3 74.875,50.3 77.625,47.55 U3.3@83.65,47.55 ; U3.3@83.65,47.475 83.975,47.475 U3.3@84.05,47.55
  Bottom Layer w0.4: v1(35.725,77.175) 38.325,77.175 39.7,75.8 52.575,75.8 56.2,72.175 56.2,69.1 v1(56.25,69.05)
  Bottom Layer w0.5: v1(15.651,52.728) 25.572,52.728 27.775,50.525 v1(27.775,45.2) ; v1(52.225,59.95) 53.7,59.95 56.25,62.5 v1(56.25,69.05) ; v1(53.05,47.975) 53.075,48 v1(53.075,52.275)
SDA_ON: U13.4 U14.40 | length 3
  Top Layer w0.3: U14.40@21.33,69.159 21.33,71.23 21.6,71.5 21.6,71.915 U13.4@21.685,72
SWCLK: P2.3 U14.49 | length 8.5
  Top Layer w0.4: P2.3@12.775,74.685 12.775,69.764 U14.49@15.33,67.209
SWDIO: P2.4 U14.46 | length 14.4
  Top Layer w0.3: 17.875,67.4 18.33,67.855 U14.46@18.33,69.159
  Top Layer w0.4: P2.4@12.775,77.225 14.05,75.95 14.05,70.4 17.05,67.4 17.875,67.4
TXD: U6.31 U8.25 U13.11 | length 53.7
  Top Layer w0.3: U13.11@19.145,79.4 19.145,77.93 21.25,75.825 27.2,75.825 35.325,67.7 v1(39.25,67.7) ; v1(43.075,65.075) 44.35,63.8 46.225,63.8 47.475,65.05 U6.31@49.175,65.05 54.3,65.05 56.15,66.9 U8.25@64.2,66.9
  Bottom Layer w0.3: v1(39.25,67.7) 40.45,67.7 v1(43.075,65.075)
TXD_ON: U13.2 U14.42 | length 3.3
  Top Layer w0.3: U13.2@19.145,72 19.145,71.48 20.33,70.295 U14.42@20.33,69.159
USB-C_DN: CN3.A7 CN3.B7 U7.4 U10.6 | length 46.5
  Top Layer w0.3: U10.6@68.825,59.45 68.825,58.9 69.575,58.15 74.775,58.15 75.877,59.253 79.447,59.253 v1(80.1,58.6) ; 79.4,71.45 CN3.B7@81.305,71.45 82.65,71.45 82.9,71.7 82.9,72.2 82.65,72.45 CN3.A7@81.305,72.45
  Top Layer w0.5: U7.4@68.075,55.6 77.25,55.6 80.1,58.45 v1(80.1,58.6) ; v1(78.45,71.4) 78.5,71.45 79.4,71.45
  Bottom Layer w0.5: v1(78.45,71.4) 78.45,70.65 80.1,69 v1(80.1,58.6)
USB-C_DP: CN3.A6 CN3.B6 U7.6 U10.7 | length 33.8
  Top Layer w0.3: U7.6@68.075,57.5 67.85,57.5 67.4,57.95 67.4,59.282 68.068,59.95 U10.7@68.825,59.95 ; CN3.A6@81.305,71.95 79.85,71.95 79.6,72.2 79.6,72.45 79.6,72.7 79.85,72.95 CN3.B6@81.305,72.95
  Top Layer w0.5: U7.6@68.075,57.5 75.7,57.5 v1(76.8,58.6) ; v1(76.75,72.45) 79.6,72.45
  Bottom Layer w0.6: v1(76.75,72.45) 76.75,58.75 v1@76.8,58.7
USB-M_DN: U7.1 U9.3 U10.8 | length 20.2
  Top Layer w0.3: U7.1@65.375,57.5 65.375,57.964 67.861,60.45 U10.8@68.825,60.45 73.726,60.45 ; U9.3@83.45,59.95 U9.3@83.65,60.15 U9.3@83.8,60.3
  Top Layer w0.5: 73.726,60.309 73.91,60.125 83.275,60.125 U9.3@83.45,59.95
USB-M_DP: U7.3 U9.2 U10.9 | length 25.3
  Top Layer w0.3: U7.3@65.375,55.6 64.4,55.6 63.65,56.35 63.65,57.875 64.425,58.65 65.2,58.65 67.5,60.95 U10.9@68.825,60.95 73.975,60.95 74.025,61 ; U9.2@83.475,61.575 U9.2@83.65,61.4
  Top Layer w0.5: 74.025,61 74.425,61.4 U9.2@83.65,61.4
USB_DN: U8.5 U10.4 | length 6.4
  Top Layer w0.3: U10.4@64.4,59.95 U10.4@64.425,59.95 65.7,59.95 67.1,61.35 U8.5@67.1,64.5
USB_DP: U8.4 U10.3 | length 5.5
  Top Layer w0.3: U10.3@64.4,60.45 65.374,60.45 66.6,61.676 U8.4@66.6,64.5
VBUS: C33.2 CN3.A4 CN3.A9 R55.1 U7.5 | length 42.3
  Top Layer w0.6: U7.5@68.075,56.55 76.25,56.55 v1(78.3,58.6) ; R55.1@72.575,68.175 C33.2@72.575,69.4 72.925,69.75 75.9,69.75 ; v1(78.3,65.6) 78.3,69.675 78.375,69.75 ; CN3.A4@81.305,69.75 78.375,69.75 ; CN3.A9@81.305,74.65 76.65,74.65 75.775,73.775 75.775,69.875 75.9,69.75 ; 75.9,69.75 78.375,69.75
  Bottom Layer w0.6: v1(78.3,58.6) v1(78.3,65.6)
pads on no net: CN1.1 CN1.3 CN1.10 CN1.12 CN1.14 CN1.16 CN1.22 CN1.24 CN1.26 CN1.28 CN1.29 CN1.30 CN1.31 CN1.32 CN1.33 CN1.34 CN1.35 CN1.36 CN1.37 CN1.38 CN1.39 CN1.40 CN1.PMNT1 CN1.PMNT2 CN3.0 CN3.A5 CN3.A8 CN3.B5 CN3.B8 CN3.SH1 CN3.SH2 CN3.SH3 CN3.SH4 S3.1 S3.7 S3.8 S3.12 S3.13 S3.21 S3.22 S3.23 S3.24 S4.1 T1.5 T3.4 T4.4 U1.2 U1.5 U2.2 U2.5 U3.5 U6.2 U6.12 U6.13 U6.19 U6.22 U6.26 U8.1 U8.2 U8.10 U8.12 U8.13 U8.14 U8.15 U8.16 U8.17 U8.18 U8.19 U8.20 U8.21 U8.22 U8.27 U9.5 U14.2 U14.3 U14.4 U14.8 U14.9 U14.10 U14.11 U14.17 U14.20 U14.21 U14.22 U14.23 U14.24 U14.25 U14.26 U14.27 U14.28 U14.29 U14.30 U14.33 U14.34 U14.35 U14.36 U14.37 U14.38 U14.39 U14.44 U14.45 U14.50 U14.51 U14.52 U14.53 U14.54 U14.55 U14.56 U14.57 U14.58 U14.59 U14.61 U14.62

## Polygon pours and split planes (outlines as drawn)
GND on Top Layer "TopLayer_GND" (solid, pour order 6): -0.1,94 -0.1,36.5 -0.1,27.8 54.4,27.8 54.4,40 89.9,40 89.9,94
GND on Bottom Layer "TopLayer_GND" (solid, pour order 8): -0.1,94 89.9,94 89.9,40 54.4,40 54.4,27.8 -0.1,27.8

## Other copper
Top Layer:
  text "'.hwver'" at 5.6,11.4 h1

## Silkscreen, mask and mechanical layers (free items; w line width, h text height)
Top Overlay:
  drawing of 82 lines, arcs and shapes, not listed
  text "USB-C" at 82.3,78.4 h2
  text "UniSense" at 67.625,74.65 h2
  text "ADC1" at 2.2,65.3 h2
  text "USB" at 79.2,55.5 h2
  text "X+" at 58.6,44.825 h1.5
  text "I2C" at 79.7,42.9 h2
  text "Meteo Sensor" at 39.975,42.45 h2
  text "Y+" at 56.4,41.55 h1.5 r90
  text "Light Sensor" at 15.975,41.2 h2
  text "Orientation Sensor" at 59.525,41.2 h2
  text "ADC0" at 2.6,40.4 h2
  text "Z+" at 56.9,39.65 h1.5
  text "ESD" at 7.3,20.4 h4
  text "HIGH VOLTAGE !!!" at 81.9,17 h2 r90
  text "CAUTION:" at 79.9,16.5 h2 r90
  text "Geiger Counter" at 37.9,2.6 h3
Top Solder:
  text "'.hwver'" at 5.6,11.4 h1
Board:
  the board outline again, w0.2

## Text inside footprints (layer, text, board x,y; h text height)
U13: Top Overlay "ON" at 15.85,76.5 h1 r90